# Altium PCB UAARG Autopilot.PcbDoc (part 3 of 4)
Units mm, origin at the board's own origin, x right, y up, seen from the top; angles counter-clockwise.
Board outline 89.53 x 95.22 mm, 4 copper layers (Top Layer, Mid Layer 1, Mid Layer 2, Bottom Layer), stack 1.641 mm thick; 296 components, 241 nets, 1208 pads, 606 vias.
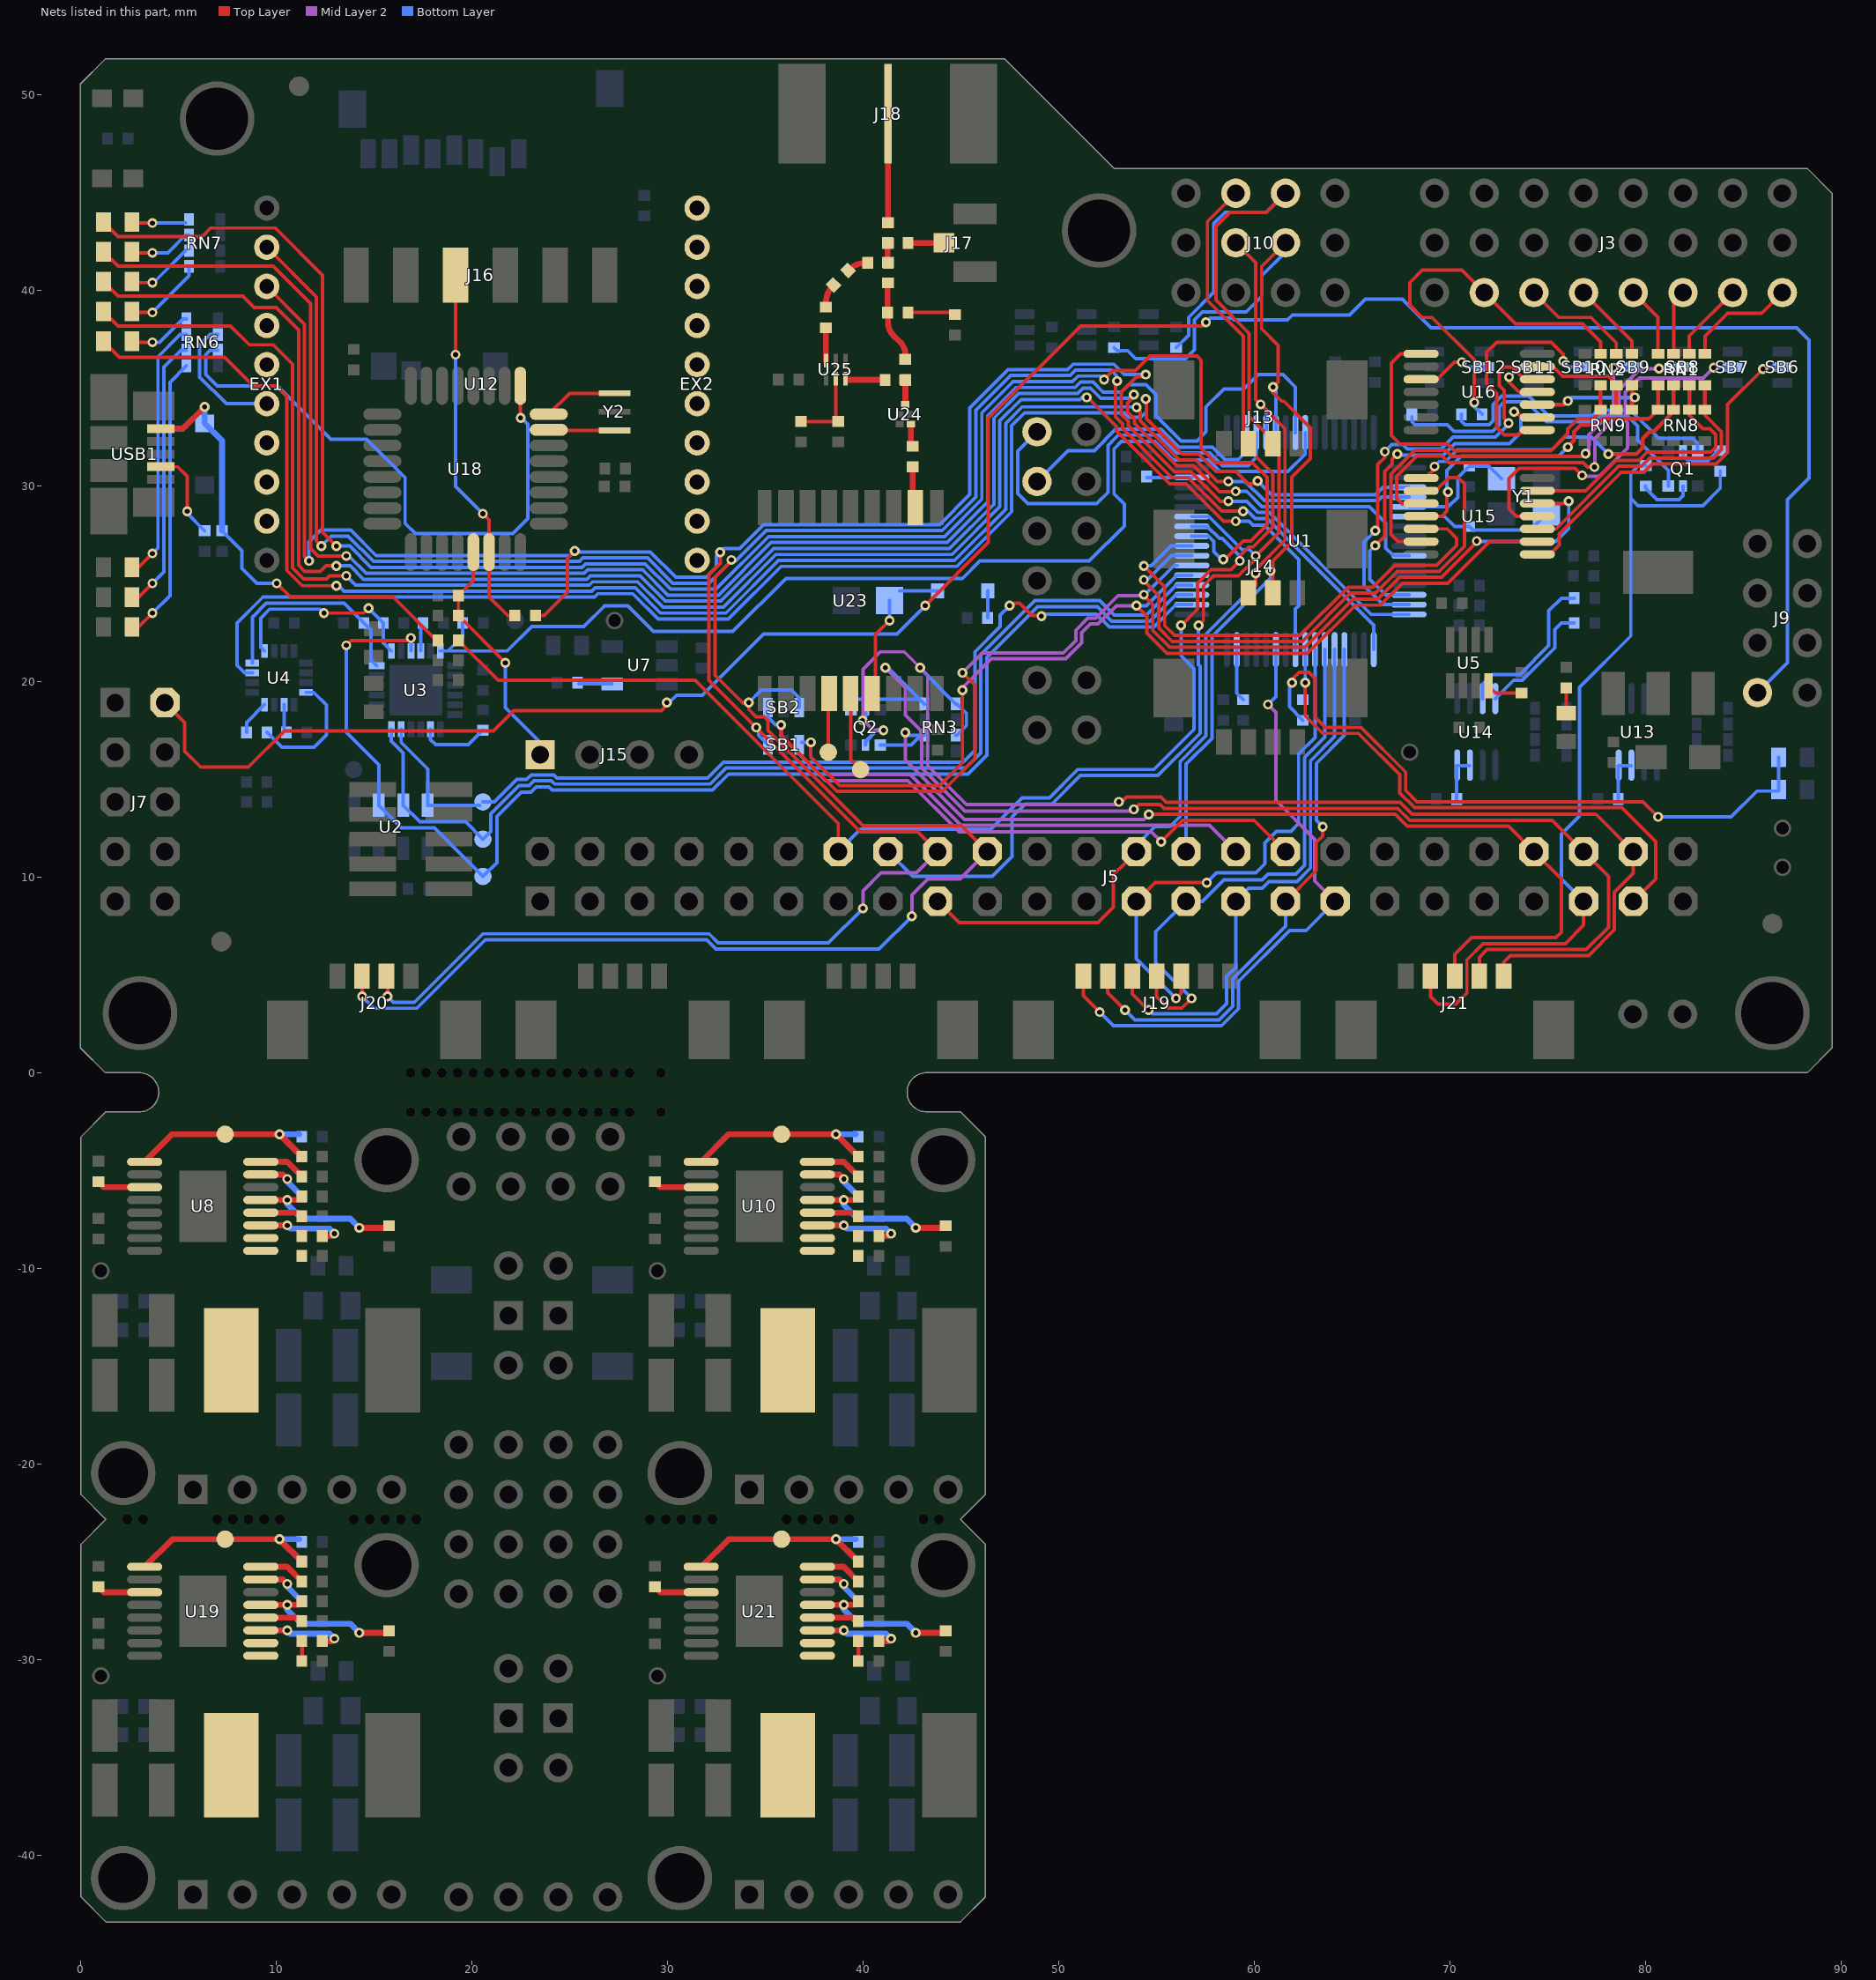
[diagram p5: the nets of this part, all layers, seen from the top]

## Via types
v1: diameter 0.508, hole 0.254, Top Layer to Bottom Layer, tented both sides, 537 vias
v2: diameter 0.61, hole 0.305, Top Layer to Bottom Layer, 48 vias
v3: diameter 0.508, hole 0.254, Top Layer to Bottom Layer, 8 vias
v4: diameter 0.889, hole 0.508, Top Layer to Bottom Layer, 5 vias
v5: diameter 0.508, hole 0.254, Top Layer to Bottom Layer, tented bottom, 5 vias
v6: diameter 0.508, hole 0.254, Top Layer to Bottom Layer, tented top, 3 vias

## Nets (pads, with @x,y where several pads share a name; then routed paths per layer and width w, separated by ;. In a path a pad name is that pad's centre, name@x,y a point inside that pad or via, vN(x,y) a via of type N, cw(c..) or ccw(c..) an arc to the next point about the centre after c; other vN are vias at no path point) (continued)
LEDS.LED1: LED1.2 U1.41 | length 96.2
  Top Layer w0.178: LED1.2@1.18,43.488 1.92,42.748 6.22,42.748 6.652,43.18 9.957,43.18 12.37,40.767 12.37,27.635 v1(13.081,26.924) ; v1(52.324,35.433) 52.324,35.445 52.77,35.89 53.924,35.89 54.661,36.627 57.074,36.627 57.277,36.424 57.277,31.927 58.013,31.191 59.897,31.191 60.655,30.433 60.655,28.016 59.817,27.178 59.436,27.178 v1@58.42,26.162
  Bottom Layer w0.178: v1(13.081,26.924) 13.767,26.924 14.859,25.832 25.632,25.832 25.809,26.01 28.863,26.01 30.156,24.716 32.486,24.716 35.177,27.407 44.174,27.407 46.076,29.308 46.076,33.733 47.674,35.331 50.714,35.331 50.993,35.611 52.146,35.611 v1(52.324,35.433) ; U1.41@56.807,27.428 57.662,27.428 57.937,27.153 57.937,26.645 v1@58.42,26.162
  other v1: 58.42,26.238
LEDS.LED2: LED2.2 U1.56 | length 89.7
  Top Layer w0.178: LED2.2@1.18,41.964 1.92,41.224 9.855,41.224 11.76,39.319 11.76,26.797 12.141,26.416 v1(13.589,26.416)
  Bottom Layer w0.178: v1(13.589,26.416) 13.715,26.416 14.604,25.527 25.758,25.527 25.936,25.705 28.736,25.705 30.03,24.411 32.612,24.411 35.303,27.102 44.301,27.102 46.38,29.182 46.38,33.577 47.83,35.027 50.84,35.027 51.119,35.306 51.751,35.306 51.756,35.3 51.762,35.306 52.27,34.798 53.201,34.798 53.582,35.179 54.458,35.179 54.991,34.646 54.991,33.574 56.269,32.296 57.074,32.296 57.531,32.753 57.531,34.036 58.445,34.95 59.461,34.95 60.198,35.687 61.468,35.687 62.107,35.048 U1.56@62.107,32.728
LEDS.LED3: LED3.2 U1.10 | length 93.7
  Top Layer w0.178: LED3.2@1.18,40.44 1.92,39.7 8.306,39.7 8.89,39.116 10.008,39.116 11.151,37.973 11.151,25.933 11.455,25.629 12.268,25.629 12.548,25.908 v1(13.081,25.908) ; v1(53.848,34.671) 53.848,34.556 53.518,34.225 53.518,33.773 53.873,33.418 53.873,33.195 56.048,31.02 56.891,31.02 58.218,29.693 58.903,29.693 v1@59.055,29.845
  Bottom Layer w0.178: v1(13.081,25.908) 13.792,25.908 14.478,25.222 25.884,25.222 26.062,25.4 28.61,25.4 29.904,24.106 32.738,24.106 35.429,26.797 44.427,26.797 46.685,29.055 46.685,33.45 47.957,34.722 50.966,34.722 51.246,35.001 51.624,35.001 51.756,34.869 52.158,34.468 53.594,34.468 v1@53.848,34.722 ; v1(59.055,29.718) 59.61,29.718 60.391,28.937 65.881,28.937 66.726,28.092 66.726,26.822 67.12,26.428 U1.10@67.907,26.428
LEDS.LED4: LED4.2 U1.25 | length 89
  Top Layer w0.178: LED4.2@1.18,38.916 1.92,38.176 7.671,38.176 8.636,37.211 9.855,37.211 10.846,36.22 10.846,25.807 11.405,25.248 12.573,25.248 12.725,25.4 v1(13.589,25.4) ; v1(51.435,34.519) 51.435,34.544 v1@51.436,34.544 ; v1@51.457,34.541 52.959,33.039 52.959,32.816 55.669,30.106 56.508,30.106 58.42,28.194 v1(59.055,28.194)
  Bottom Layer w0.178: v1(13.589,25.4) 14.072,24.917 26.01,24.917 26.188,25.095 28.484,25.095 29.778,23.801 32.865,23.801 35.556,26.492 44.553,26.492 46.99,28.929 46.99,33.324 48.083,34.417 51.092,34.417 51.219,34.544 51.435,34.544 v1(51.435,34.519) ; v1(59.055,28.194) 59.74,28.194 59.943,27.991 60.528,27.991 62.281,26.238 62.281,23.877 62.107,23.703 U1.25@62.107,21.628
LEDS.LED5: LED5.2 U1.4 | length 87.3
  Top Layer w0.178: LED5.2@1.18,37.392 1.996,36.576 7.366,36.576 8.839,35.103 10.008,35.103 10.541,34.569 10.541,25.681 11.33,24.892 v1(13.081,24.892) ; v1@53.975,34.036 54.178,33.833 54.178,33.321 56.174,31.325 57.017,31.325 58.116,30.226 v1(58.674,30.226) ; v1(53.988,34.014) v1@53.988,34.023
  Bottom Layer w0.178: v1(13.081,24.892) 13.2,24.892 13.479,24.613 26.137,24.613 26.314,24.79 28.358,24.79 29.651,23.497 32.991,23.497 35.682,26.187 44.679,26.187 47.295,28.803 47.295,33.198 48.134,34.037 v1@53.988,34.037 ; v1@53.911,34.099 v1@53.975,34.163 ; v1@53.975,34.036 53.988,34.023 v1(53.988,34.014) ; v1(58.674,30.226) 59.533,30.226 60.517,29.242 66.326,29.242 66.512,29.428 U1.4@67.907,29.428
LV: J5.46 J21.1 Q2.2 Q2.5 RN3.1 RN3.3 | length 68.8
  Top Layer w0.178: v1@53.086,13.716 53.467,14.097 55.23,14.097 55.509,13.818 67.462,13.818 68.072,13.208 77.47,13.208 J5.46@79.375,11.303 79.375,10.193 78.409,9.227 78.409,7.309 77.09,5.99 73.09,5.99 72.755,5.655 J21.1@72.755,4.942
  Mid Layer 2 w0.178: v1@40.894,17.526 40.513,17.526 40.005,18.034 40.005,20.624 40.895,21.514 42.113,21.514 43.307,20.32 43.307,15.697 45.288,13.716 v1@53.086,13.716
  Bottom Layer w0.178: v1@40.005,18.034 40.132,18.161 Q2.2@40.132,18.553 ; v1(42.926,20.701) 42.926,20.669 RN3.1@44.742,18.853 44.804,18.853 45.288,18.369 45.288,17.737 44.804,17.253 RN3.3@44.742,17.253
  Bottom Layer w0.203: Q2.5@40.132,16.753 40.132,16.926 40.706,17.501 v1(41.046,17.501)
  other v1: 53.086,13.843 39.98,18.009
LV_RX: J5.42 J21.3 Q2.4 RN3.6 | length 50.7
  Top Layer w0.178: v1(54.61,13.208) 67.21,13.208 67.819,12.598 73,12.598 J5.42@74.295,11.303 75.7,9.898 75.7,7.188 75.417,6.905 71.105,6.905 70.255,6.055 J21.3@70.255,4.942
  Mid Layer 2 w0.178: v1(42.164,17.399) 42.164,15.978 45.188,12.954 54.356,12.954 v1(54.61,13.208)
  Bottom Layer w0.178: Q2.4@40.882,16.753 42.461,16.753 RN3.6@42.961,17.253 ; v1(42.164,17.399) 42.31,17.253 RN3.6@42.961,17.253 ; RN3.6@43.142,17.253 RN3.6@42.961,17.253
LV_TX: J5.44 J21.2 Q2.1 RN3.8 | length 61.4
  Top Layer w0.178: v1(53.848,13.462) 54.102,13.716 55.18,13.716 55.383,13.513 67.336,13.513 67.946,12.903 75.235,12.903 J5.44@76.835,11.303 78.104,10.034 78.104,7.435 76.964,6.295 71.9,6.295 71.505,5.9 J21.2@71.505,4.942
  Mid Layer 2 w0.178: v1(41.148,20.701) 42.164,19.685 42.164,18.288 43.002,17.45 43.002,15.571 45.2,13.373 53.759,13.373 v1(53.848,13.462)
  Bottom Layer w0.178: Q2.1@39.382,18.553 39.382,18.783 39.7,19.101 42.894,19.101 RN3.8@43.142,18.853 41.294,20.701 v1(41.148,20.701)
M_EXT_EN: J5.43 J21.4 R6.2 R10.2 | length 43.6
  Top Layer w0.178: J21.4@69.005,4.942 69.005,3.895 69.395,3.505 70.3,3.505 70.871,4.076 70.871,5.771 71.7,6.6 75.9,6.6 76.835,7.535 J5.43@76.835,8.763
  Bottom Layer w0.178: J5.43@76.835,8.763 75.692,9.906 75.692,12.192 76.632,13.132 76.632,19.709 79.248,22.325 79.248,29.369 ; R6.2@80.01,31.037 79.646,31.037 79.248,30.639 79.248,29.369 ; R10.2@83.82,30.749 83.82,29.877 82.931,28.988 79.629,28.988 79.248,29.369
MAG_INT: U1.3 U4.15 | length 74.9
  Top Layer w0.178: v1@54.483,34.417 54.483,33.447 56.301,31.63 57.143,31.63 58.039,30.734 59.055,30.734 59.69,30.099 60.071,30.099 v1@60.198,30.226
  Bottom Layer w0.178: U4.15@8.785,20.443 8.386,20.443 8.001,20.828 8.001,22.987 9.322,24.308 26.263,24.308 26.441,24.486 28.231,24.486 29.525,23.192 33.117,23.192 35.808,25.883 44.806,25.883 47.6,28.677 47.6,33.072 48.26,33.732 53.365,33.732 53.594,33.503 54.204,33.503 54.483,33.782 v1@54.483,34.544 ; v1@60.198,30.226 60.877,29.547 66.2,29.547 66.581,29.928 U1.3@67.907,29.928
  other v1: 60.173,30.251 54.458,34.442
MAIN_EN: J7.2 J9.7 | length 120
  Top Layer w0.178: J7.2@4.318,18.923 5.334,17.907 5.334,16.433 6.146,15.621 8.58,15.621 10.434,17.475 21.11,17.475 22.151,18.517 29.693,18.517 v1@29.972,18.796 ; v1(43.18,23.876) 46.406,27.102 46.406,33.452 51.13,38.176 57.353,38.176 v1(57.531,38.354)
  Bottom Layer w0.178: v1@29.972,18.796 30.468,19.292 31.781,19.292 34.916,22.428 41.732,22.428 v1(43.18,23.876) ; v1(57.531,38.354) 57.747,38.57 58.875,38.57 58.964,38.481 61.699,38.481 61.953,38.735 64.874,38.735 65.687,39.548 67.563,39.548 69.036,38.075 87.732,38.075 88.367,37.44 88.367,34.545 88.367,30.404 87.249,29.287 87.249,20.955 J9.7@85.725,19.431
  other v1: 29.972,18.923
MISO: TP6.1 U1.35 U2.6 U3.9 | length 67.3
  Top Layer w0.178: v1(13.589,21.844) 13.843,22.098 16.637,22.098 v1@16.891,22.352
  Bottom Layer w0.178: v1(13.589,21.844) 13.589,17.399 15.25,15.738 U2.6@15.25,13.673 16.401,12.522 18.085,12.522 TP6.1@20.574,10.033 21.285,10.744 21.285,13.11 22.526,14.351 23.034,14.351 23.301,14.618 23.943,14.618 24.108,14.453 32.313,14.453 33.126,15.265 45.368,15.265 46.33,16.227 46.33,21.234 48.92,23.825 51.978,23.825 52.715,23.089 54.661,23.089 56,24.428 U1.35@56.807,24.428 ; U3.9@16.895,21.558 v1@16.895,22.348
  other v1: 16.891,22.225
MOSI: TP7.1 U1.36 U2.7 U3.24 | length 54.7
  Bottom Layer w0.178: U3.24@15.895,17.558 15.895,16.948 16.5,16.343 U2.7@16.5,13.673 17.346,12.827 19.685,12.827 TP7.1@20.574,11.938 20.98,12.344 20.98,13.236 22.426,14.681 22.934,14.681 23.175,14.922 24.069,14.922 24.234,14.757 32.187,14.757 33,15.57 45.242,15.57 46.025,16.353 46.025,21.361 48.793,24.13 52.105,24.13 52.841,23.393 54.483,23.393 56.018,24.928 U1.36@56.807,24.928
MPU_INT: R15.1 U1.57 U3.12 | length 56.6
  Bottom Layer w0.178: U3.12@18.395,21.558 18.781,21.558 ; R15.1@19.541,22.987 19.541,22.318 18.781,21.558 ; U1.57@62.607,32.728 62.607,31.619 61.722,30.734 58.25,30.734 57.666,31.318 55.855,31.318 54.915,32.258 53.213,32.258 52.832,31.877 52.832,29.591 53.352,29.071 53.352,27.952 51.562,26.162 45.974,26.162 45.085,25.273 36.061,25.273 33.35,22.562 29.293,22.562 27.979,23.876 26.797,23.876 25.73,22.809 23.063,22.809 21.812,21.558 18.781,21.558
MPU_SCL: R14.1 U3.7 U4.1 | length 10.1
  Top Layer w0.178: v1(12.446,23.495) 14.478,23.495 v1(14.732,23.749)
  Bottom Layer w0.178: U4.1@9.41,21.568 9.22,21.758 9.22,23.241 9.677,23.698 12.243,23.698 v1(12.446,23.495) ; v1@14.842,23.622 R14.1@15.477,22.987 15.477,21.976 U3.7@15.895,21.558
MPU_SDA: R13.1 U3.6 U4.16 | length 11.2
  Bottom Layer w0.178: U4.16@8.785,20.943 8.785,23.288 9.5,24.003 13.479,24.003 R13.1@14.495,22.987 14.859,22.623 14.859,21.094 U3.6@15.145,20.808
NetC3_2: C3.2 U1.47 | length 2.3
  Bottom Layer w0.178: C3.2@54.5,30.428 U1.47@56.807,30.428
NetC4_2: C4.2 U1.31 | length 2.7
  Bottom Layer w0.178: U1.31@59.107,21.628 59.107,19.396 C4.2@59.436,19.067
NetC14_1: C14.1 U3.20 | length 3.6
  Bottom Layer w0.178: U3.20@17.895,17.558 17.895,17.03 18.161,16.764 19.829,16.764 C14.1@20.574,17.509
NetC17_1: C17.1 U4.10 | length 1.3
  Bottom Layer w0.178: C17.1@10.41,17.513 U4.10@10.41,18.818
NetC18_1: C18.1 U4.8 | length 6.4
  Bottom Layer w0.178: C18.1@9.542,17.399 10.304,16.637 11.938,16.637 12.573,17.272 12.573,18.796 11.926,19.443 U4.8@11.535,19.443
NetC18_2: C18.2 U4.12 | length 1.8
  Bottom Layer w0.178: C18.2@8.492,17.399 8.492,17.9 U4.12@9.41,18.818
NetC19_2: C19.2 U3.10 | length 1.3
  Bottom Layer w0.178: U3.10@17.395,21.558 C19.2@17.395,22.873
NetC25_1: C25.1 U7.4 | length 1.7
  Bottom Layer w0.178: C25.1@25.478,19.878 U7.4@27.175,19.878
NetC26_1: C26.1 C27.2 L2.1 U8.1 U8.2
NetC27_1: C27.1 U8.3 | length 4.6
  Top Layer w0.305: U8.3@9.223,-7.801 v1(10.571,-7.801) ; C27.1@12.366,-8.35 12.857,-8.35 v1(12.984,-8.223)
  Bottom Layer w0.305: v1(10.571,-7.801) 10.739,-7.969 12.73,-7.969 v1(12.984,-8.223)
NetC30_2: C30.2 R24.2 R28.1 TP10.1 U8.9 | length 11.7
  Top Layer w0.305: U8.9@3.283,-4.551 4.691,-3.143 TP10.1@7.396,-3.143 v1(10.173,-3.143) C30.2@11.316,-4.286
  Bottom Layer w0.305: R28.1@11.189,-3.143 v1(10.173,-3.143) R24.2@11.316,-4.286
NetC36_2: C36.2 U8.4 | length 2.2
  Top Layer w0.305: U8.4@9.223,-7.151 11.133,-7.151 C36.2@11.316,-7.334
NetC37_1: C37.1 U8.11 | length 2.5
  Top Layer w0.305: C37.1@0.919,-5.573 1.197,-5.851 U8.11@3.283,-5.851
NetC38_1: C38.1 R26.2 U8.5 | length 8.1
  Top Layer w0.305: U8.5@9.223,-6.501 v1(10.571,-6.501) 11.133,-6.501 C38.1@11.316,-6.318 ; v1(14.254,-7.927) 15.676,-7.927 R26.2@15.778,-7.825
  Bottom Layer w0.305: v1(10.571,-6.501) 10.571,-6.724 11.308,-7.461 13.788,-7.461 v1(14.254,-7.927)
NetC39_1: C39.1 C40.2 L3.1 U10.1 U10.2
NetC40_1: C40.1 U10.3 | length 4.6
  Top Layer w0.305: U10.3@37.671,-7.801 v1(39.019,-7.801) ; C40.1@40.814,-8.35 41.305,-8.35 v1(41.432,-8.223)
  Bottom Layer w0.305: v1(39.019,-7.801) 39.187,-7.969 41.178,-7.969 v1(41.432,-8.223)
NetC43_2: C43.2 R31.2 R35.1 TP12.1 U10.9 | length 11.7
  Top Layer w0.305: U10.9@31.731,-4.551 33.139,-3.143 TP12.1@35.844,-3.143 v1(38.621,-3.143) C43.2@39.764,-4.286
  Bottom Layer w0.305: R35.1@39.637,-3.143 v1(38.621,-3.143) R31.2@39.764,-4.286
NetC49_2: C49.2 U10.4 | length 2.2
  Top Layer w0.305: U10.4@37.671,-7.151 39.581,-7.151 C49.2@39.764,-7.334
NetC50_1: C50.1 U10.11 | length 2.5
  Top Layer w0.305: C50.1@29.367,-5.573 29.645,-5.851 U10.11@31.731,-5.851
NetC51_1: C51.1 R33.2 U10.5 | length 8.2
  Top Layer w0.305: U10.5@37.671,-6.501 v1(39.019,-6.501) 39.581,-6.501 C51.1@39.764,-6.318 ; v1(42.702,-7.927) 44.124,-7.927 R33.2@44.226,-7.825
  Bottom Layer w0.305: v1(39.019,-6.501) 39.019,-6.75 39.73,-7.461 42.236,-7.461 v1(42.702,-7.927)
NetC57_1: C57.1 C58.2 L4.1 U19.1 U19.2 | length 1
  Top Layer w0.203: C57.1@11.316,-30.067 C58.2@11.316,-29.051
NetC58_1: C58.1 U19.3 | length 4.6
  Top Layer w0.305: U19.3@9.223,-28.502 v1(10.571,-28.502) ; C58.1@12.366,-29.051 12.857,-29.051 v1(12.984,-28.924)
  Bottom Layer w0.305: v1(10.571,-28.502) 10.739,-28.67 12.73,-28.67 v1(12.984,-28.924)
NetC61_2: C61.2 R47.2 R51.1 TP14.1 U19.9 | length 11.7
  Top Layer w0.305: U19.9@3.283,-25.252 4.691,-23.844 TP14.1@7.396,-23.844 v1(10.173,-23.844) C61.2@11.316,-24.987
  Bottom Layer w0.305: R51.1@11.189,-23.844 v1(10.173,-23.844) R47.2@11.316,-24.987
NetC67_2: C67.2 U19.4 | length 2.2
  Top Layer w0.305: U19.4@9.223,-27.852 11.133,-27.852 C67.2@11.316,-28.035
NetC68_1: C68.1 U19.11 | length 2.5
  Top Layer w0.305: C68.1@0.919,-26.274 1.197,-26.552 U19.11@3.283,-26.552
NetC69_1: C69.1 R49.2 U19.5 | length 8.2
  Top Layer w0.305: U19.5@9.223,-27.202 v1(10.571,-27.202) 11.133,-27.202 C69.1@11.316,-27.019 ; v1(14.254,-28.628) 15.676,-28.628 R49.2@15.778,-28.526
  Bottom Layer w0.305: v1(10.571,-27.202) 10.571,-27.451 11.282,-28.162 13.788,-28.162 v1(14.254,-28.628)
NetC70_1: C70.1 C71.2 L5.1 U21.1 U21.2 | length 1
  Top Layer w0.203: C70.1@39.764,-30.067 C71.2@39.764,-29.051
NetC71_1: C71.1 U21.3 | length 4.6
  Top Layer w0.305: U21.3@37.671,-28.502 v1(39.019,-28.502) ; C71.1@40.814,-29.051 41.305,-29.051 v1(41.432,-28.924)
  Bottom Layer w0.305: v1(39.019,-28.502) 39.187,-28.67 41.178,-28.67 v1(41.432,-28.924)
NetC74_2: C74.2 R54.2 R58.1 TP16.1 U21.9 | length 11.7
  Top Layer w0.305: U21.9@31.731,-25.252 33.139,-23.844 TP16.1@35.844,-23.844 v1(38.621,-23.844) C74.2@39.764,-24.987
  Bottom Layer w0.305: R58.1@39.637,-23.844 v1(38.621,-23.844) R54.2@39.764,-24.987
NetC80_2: C80.2 U21.4 | length 2.2
  Top Layer w0.305: U21.4@37.671,-27.852 39.581,-27.852 C80.2@39.764,-28.035
NetC81_1: C81.1 U21.11 | length 2.5
  Top Layer w0.305: C81.1@29.367,-26.274 29.645,-26.552 U21.11@31.731,-26.552
NetC82_1: C82.1 R56.2 U21.5 | length 8.1
  Top Layer w0.305: U21.5@37.671,-27.202 v1(39.019,-27.202) 39.581,-27.202 C82.1@39.764,-27.019 ; v1(42.702,-28.628) 44.124,-28.628 R56.2@44.226,-28.526
  Bottom Layer w0.305: v1(39.019,-27.202) 39.019,-27.425 39.756,-28.162 42.236,-28.162 v1(42.702,-28.628)
NetC84_2: C84.2 C86.2 U24.C | length 1.3
  Top Layer w0.305: U24.C@42.164,34.155 C86.2@42.164,35.416
NetC85_1: C85.1 U24.A | length 1
  Top Layer w0.305: C85.1@42.452,32.115 U24.A@42.452,33.155
NetC85_2: C85.2 U23.11 | length 2
  Top Layer w0.305: U23.11@42.545,29.005 C85.2@42.545,30.971
NetC87_1: C87.1 D4.2 U23.6 | length 6.8
  Top Layer w0.178: U23.6@40.64,19.55 40.64,22.395 v1(41.359,23.114)
  Bottom Layer w0.178: v1(41.359,23.114) C87.1@41.359,24.13 ; C87.1@41.867,24.638 D4.2@43.81,24.638
NetC89_1: C89.1 L6.1 | length 1.2
  Top Layer w0.305: C89.1@38.1,39.133 38.1,39.325 cw(c39.434,39.325) L6.1@38.491,40.269
NetC89_2: C89.2 U25.3 | length 1.7
  Top Layer w0.305: U25.3@38.108,36.401 C89.2@38.108,38.075
NetD3_1: D3.1 R19.1 R23.2 USB1.1 | length 23.3
  Top Layer w0.178: v1(10.033,25.019) 10.744,24.308 16.003,24.308 18.213,22.098 R19.1@18.271,22.098
  Top Layer w0.305: USB1.1@4.11,32.923 5.237,32.923 v1(6.35,34.036)
  Bottom Layer w0.178: R23.2@7.239,27.703 8.255,26.687 8.255,25.781 9.017,25.019 v1(10.033,25.019)
  Bottom Layer w0.305: v1(6.35,34.036) D3.1@6.35,33.198 7.239,32.309 R23.2@7.239,27.703
NetD4_1: D4.1 R61.2 | length 1.4
  Bottom Layer w0.178: R61.2@46.385,23.254 D4.1@46.385,24.638
NetJ3_1: J3.1 RN1.5 | length 5.8
  Top Layer w0.178: RN1.5@83.039,36.741 83.039,37.649 84.201,38.811 85.928,38.811 J3.1@86.995,39.878
NetJ3_4: J3.4 RN1.6 | length 4.1
  Top Layer w0.178: RN1.6@82.239,36.741 82.239,37.662 J3.4@84.455,39.878
NetJ3_7: J3.7 RN1.7 | length 2.7
  Top Layer w0.178: RN1.7@81.439,36.741 J3.7@81.439,39.402
NetJ3_10: J3.10 RN1.8 | length 3.7
  Top Layer w0.178: J3.10@79.375,39.878 80.639,38.614 RN1.8@80.639,36.741
NetJ3_13: J3.13 RN2.5 | length 4.2
  Top Layer w0.178: J3.13@76.835,39.878 79.305,37.408 RN2.5@79.305,36.741
NetJ3_16: J3.16 RN2.6 | length 5.8
  Top Layer w0.178: J3.16@74.295,39.878 75.565,38.608 77.216,38.608 78.505,37.319 RN2.6@78.505,36.741
NetJ17_1: J17.1 R62.1 | length 1.8
  Top Layer w0.305: R62.1@42.308,42.418 J17.1@44.145,42.418
NetJ18_1: J18.1 R67.1 | length 5.6
  Top Layer w0.305: R67.1@41.275,43.451 J18.1@41.275,49.022
NetL7_1: L7.1 R68.2 | length 2.3
  Top Layer w0.178: L7.1@42.308,38.862 R68.2@44.594,38.862
NetLED1_1: LED1.1 RN7.4 | length 2.7
  Top Layer w0.178: LED1.1@2.684,43.434 v1(3.683,43.434)
  Bottom Layer w0.178: v1(3.683,43.434) RN7.4@5.366,43.434
NetLED2_1: LED2.1 RN7.3 | length 3.2
  Top Layer w0.178: LED2.1@2.684,41.91 v1(3.683,41.91)
  Bottom Layer w0.178: v1(3.683,41.91) 4.461,41.91 5.369,42.818 RN7.3@5.55,42.818
NetLED3_1: LED3.1 RN7.2 | length 3.4
  Top Layer w0.178: LED3.1@2.684,40.386 v1(3.683,40.386)
  Bottom Layer w0.178: v1(3.683,40.386) 3.737,40.386 RN7.2@5.369,42.018
NetLED4_1: LED4.1 RN7.1 | length 4.1
  Top Layer w0.178: LED4.1@2.684,38.862 v1(3.683,38.862)
  Bottom Layer w0.178: v1(3.683,38.862) 5.55,40.729 RN7.1@5.55,41.218
NetLED5_1: LED5.1 RN6.4 | length 3.2
  Top Layer w0.178: LED5.1@2.684,37.338 v1(3.683,37.338)
  Bottom Layer w0.178: v1(3.683,37.338) 4.042,37.338 5.242,38.538 RN6.4@5.423,38.538
NetLED6_1: LED6.1 R18.2 | length 1.3
  Top Layer w0.178: LED6.1@75.946,18.382 R18.2@75.946,19.672
NetLED7_1: LED7.1 RN6.3 | length 13.2
  Top Layer w0.178: LED7.1@2.921,25.781 v1(3.683,26.543)
  Bottom Layer w0.178: v1(3.683,26.543) 3.962,26.822 3.962,36.601 5.099,37.738 RN6.3@5.423,37.738
NetLED8_1: LED8.1 RN6.1 | length 14.4
  Top Layer w0.178: LED8.1@2.921,22.733 v1(3.683,23.495)
  Bottom Layer w0.178: v1(3.683,23.495) 4.572,24.384 4.572,35.287 RN6.1@5.423,36.138
NetLED9_1: LED9.1 RN6.2 | length 14.1
  Top Layer w0.178: LED9.1@2.684,24.257 2.921,24.257 v1(3.683,25.019)
  Bottom Layer w0.178: v1(3.683,25.019) 4.267,25.603 4.267,36.068 5.137,36.938 RN6.2@5.423,36.938
NetQ1_B1: Q1.5 R6.1 | length 2.8
  Bottom Layer w0.178: R6.1@80.01,29.987 80.01,29.877 80.594,29.293 81.712,29.293 81.915,29.496 Q1.5@81.915,29.993
NetQ1_B2: Q1.2 R10.1 | length 2.5
  Bottom Layer w0.178: Q1.2@81.915,31.793 81.915,31.528 82.22,31.223 83.134,31.223 83.71,31.799 R10.1@83.82,31.799
NetQ1_C1: Q1.3 R5.1 | length 15.2
  Bottom Layer w0.178: R5.1@70.595,33.655 70.595,33.299 70.772,33.122 72.009,33.122 72.212,33.325 72.212,34.162 72.645,34.595 74.04,34.595 75.056,33.579 77.267,33.579 77.553,33.865 79.226,33.865 80.674,32.417 82.423,32.417 82.665,32.175 Q1.3@82.665,31.793
NetQ1_C2: Q1.6 R9.1 | length 17.6
  Bottom Layer w0.178: R9.1@68.055,33.528 68.055,33.276 68.21,33.122 69.875,33.122 70.206,32.791 72.187,32.791 72.517,33.122 72.517,34.036 72.771,34.29 73.914,34.29 74.93,33.274 77.393,33.274 77.679,33.56 79.1,33.56 79.6,33.06 79.6,32.344 81.165,30.779 Q1.6@81.165,29.993
NetR1_1: R1.1 R2.1 R3.2 | length 34.4
  Top Layer w0.178: v1@61.976,19.939 61.976,20.142 62.306,20.472 62.789,20.472 63.119,20.142 63.119,18.161 63.627,17.653 65.455,17.653 67.742,15.366 67.742,14.427 68.319,13.85 79.876,13.85 v1(80.645,13.081)
  Bottom Layer w0.178: v1@61.976,19.947 61.798,19.769 61.798,18.703 R1.1@62.484,18.017 ; v1(80.645,13.081) 84.381,13.081 85.697,14.397 R3.2@86.805,14.397 ; R3.2@86.805,14.472 R2.1@86.805,16.123
  other v1: 61.925,19.939
NetR22_2: R22.2 USB1.4 | length 4.7
  Top Layer w0.178: USB1.4@4.11,30.973 4.968,30.973 5.461,30.48 v1(5.461,28.702)
  Bottom Layer w0.178: v1@5.406,28.647 R22.2@6.35,27.703
NetR27_2: R27.2 U8.8 | length 2.4
  Top Layer w0.305: U8.8@9.223,-4.551 10.565,-4.551 R27.2@11.316,-5.302
NetR29_2: R29.2 U8.7 | length 2.6
  Top Layer w0.305: U8.7@9.223,-5.201 10.343,-5.201 v1(10.571,-5.429)
  Bottom Layer w0.305: v1(10.571,-5.429) 10.571,-5.573 R29.2@11.316,-6.318
NetR34_2: R34.2 U10.8 | length 2.4
  Top Layer w0.305: U10.8@37.671,-4.551 39.013,-4.551 R34.2@39.764,-5.302
NetR36_2: R36.2 U10.7 | length 2.6
  Top Layer w0.305: U10.7@37.671,-5.201 38.791,-5.201 v1(39.019,-5.429)
  Bottom Layer w0.305: v1(39.019,-5.429) 39.019,-5.573 R36.2@39.764,-6.318
NetR38_2: R38.2 U13.7 U13.8 | length 2.4
  Bottom Layer w0.178: R38.2@78.605,13.995 78.605,15.7 U13.7@79.255,15.7
NetR39_2: R39.2 U14.7 U14.8 | length 2.4
  Bottom Layer w0.178: R39.2@70.35,13.995 70.35,15.7 U14.7@71,15.7
NetR40_1: R40.1 U14.3 | length 8.3
  Bottom Layer w0.178: U14.3@71.674,19.124 71.674,19.858 72.178,20.362 73.575,20.362 75.057,21.844 75.057,23.622 75.692,24.257 R40.1@76.36,24.257
NetR41_1: R41.1 U14.4 | length 6.2
  Bottom Layer w0.178: U14.4@72.324,19.124 73.257,20.058 73.702,20.058 75.362,21.718 75.362,22.657 75.692,22.987 R41.1@76.36,22.987
NetR50_2: R50.2 U19.8 | length 2.4
  Top Layer w0.305: U19.8@9.223,-25.252 10.565,-25.252 R50.2@11.316,-26.003
NetR52_2: R52.2 U19.7 | length 2.6
  Top Layer w0.305: U19.7@9.223,-25.902 10.343,-25.902 v1(10.571,-26.13)
  Bottom Layer w0.305: v1(10.571,-26.13) 10.571,-26.274 R52.2@11.316,-27.019
NetR57_2: R57.2 U21.8 | length 2.4
  Top Layer w0.305: U21.8@37.671,-25.252 39.013,-25.252 R57.2@39.764,-26.003
NetR59_2: R59.2 U21.7 | length 2.6
  Top Layer w0.305: U21.7@37.671,-25.902 38.791,-25.902 v1(39.019,-26.13)
  Bottom Layer w0.305: v1(39.019,-26.13) 39.019,-26.274 R59.2@39.764,-27.019
NetR62_2: R62.2 R63.1 R66.2 R67.2 | length 1
  Top Layer w0.305: R66.2@41.258,41.436 R62.2@41.258,42.418
NetR64_2: R64.2 R65.2 U25.5 | length 4
  Top Layer w0.178: R65.2@36.83,33.291 R64.2@38.735,33.291 ; R64.2@38.608,33.418 U25.5@38.608,35.481
NetRN6_7: RN6.7 U18.9 | length 30.2
  Top Layer w0.178: v1@22.479,33.528 U18.9@22.479,35.105
  Bottom Layer w0.178: RN6.7@7.023,36.938 6.636,36.938 6.401,36.703 6.401,35.686 6.984,35.103 10.084,35.103 12.802,32.385 14.624,32.385 16.597,30.412 16.597,28.081 17.12,27.559 22.098,27.559 22.86,28.321 22.86,33.147 v1@22.479,33.528
  other v1: 22.504,33.477
NetTP18_1: TP18.1 U23.5 | length 4.1
  Top Layer w0.178: U23.5@39.37,19.38 39.37,16.002 TP18.1@39.878,15.494
NetTP19_1: TP19.1 U23.4 | length 3
  Top Layer w0.178: TP19.1@38.227,16.383 U23.4@38.227,19.276
  Top Layer w0.203: U23.4@38.227,19.276 cw(c38.374,19.276) U23.4@38.27,19.38
NetU18_7: U18.7 Y2.1 | length 3.3
  Top Layer w0.178: U18.7@23.964,32.832 Y2.1@27.305,32.832
NetU18_8: U18.8 Y2.2 | length 3.8
  Top Layer w0.178: U18.8@23.935,33.661 25.006,34.732 Y2.2@27.305,34.732
PA0: U1.14 U16.2 | length 18.9
  Top Layer w0.178: v1@66.167,26.924 66.65,27.407 ; 66.675,27.407 66.675,30.734 67.056,31.115 67.056,31.369 v1(67.31,31.623) ; v1(73.279,33.782) 73.279,33.909 73.69,33.498 U16.2@74.471,33.498
  Bottom Layer w0.178: v1@66.167,26.924 65.913,26.67 65.913,25.223 66.708,24.428 U1.14@67.907,24.428 ; v1(67.31,31.623) 67.361,31.572 69.673,31.572 70.257,32.156 73.05,32.156 73.635,32.741 73.635,33.553 v1@73.279,33.909
  other v1: 66.192,26.949
PA1: U1.15 U16.5 | length 22.2
  Top Layer w0.178: v1@66.167,27.686 66.319,27.838 66.319,31.09 66.675,31.445 v1(66.675,31.75) ; v1(73,33.198) 72.771,33.426 72.771,34.874 72.517,35.128 72.517,35.839 72.746,36.068 73.182,36.068 73.802,35.448 U16.5@74.471,35.448
  Bottom Layer w0.178: v1@66.167,27.686 65.608,27.127 65.608,24.893 66.573,23.928 U1.15@67.907,23.928 ; v1(66.675,31.75) 67.031,32.106 67.589,32.106 67.818,31.877 69.547,31.877 70.156,32.487 72.322,32.487 v1@72.99,33.154
  other v1: 66.192,27.711
PA2: EX1.3 J5.18 J20.2 R46.1 SB1.3 U1.16 U12.3 | length 150.3
  Top Layer w0.178: U12.3@9.525,40.196 11.455,38.266 11.455,26.391 v1(11.684,26.162) ; v1(15.7,3.9) J20.2@15.7,4.877 ; R46.1@23.258,23.368 23.699,23.368 24.892,24.561 24.892,26.289 v1(25.273,26.67) ; v1(32.703,26.607) 32.703,26.022 32.131,25.45 32.131,20.066 39.878,12.319 42.799,12.319 J5.18@43.815,11.303 ; v1@54.483,35.687 54.381,35.585 54,35.585 53.213,34.798 53.213,33.647 53.569,33.291 53.569,33.069 55.922,30.715 56.534,30.715 56.761,30.715 58.266,29.21 v1(58.674,29.21)
  Mid Layer 2 w0.178: v1(40,8.4) 40,9.3 40.919,10.219 42.731,10.219 J5.18@43.815,11.303
  Bottom Layer w0.178: v1(11.684,26.162) 11.684,27.127 12.294,27.737 13.816,27.737 15.112,26.441 25.044,26.441 25.298,26.695 25.463,26.695 25.539,26.619 29.134,26.619 30.428,25.325 31.987,25.325 32.512,25.85 32.512,26.416 ; v1(15.7,3.9) 16,3.6 17.069,3.6 20.569,7.1 32.135,7.1 32.605,6.63 38.23,6.63 v1(40,8.4) ; v1(32.703,26.607) 32.893,26.797 33.705,26.797 34.924,28.016 43.922,28.016 45.466,29.56 45.466,33.986 47.421,35.941 50.461,35.941 50.741,36.22 52.818,36.22 53.352,35.687 v1@54.483,35.687 ; v1(34.544,17.653) 34.671,17.526 34.671,17.234 SB1.3@35.141,16.764 ; v1(58.674,29.21) 59.614,29.21 60.191,28.633 60.775,28.633 65.98,23.428 U1.16@67.907,23.428
  other v1: 54.458,35.687
PA3: EX1.2 J5.20 J20.3 SB2.3 U1.17 U12.2 | length 152.4
  Top Layer w0.178: U12.2@9.525,42.196 12.065,39.656 12.065,27.178 v1(12.319,26.924) ; v1(14.4,3.9) J20.3@14.4,4.927 ; v1@33.274,26.162 32.436,25.324 32.436,20.319 33.832,18.923 v1(34.163,18.923) 34.163,18.567 34.544,18.186 34.95,18.186 35.141,17.996 35.141,17.488 40.004,12.624 45.034,12.624 J5.20@46.355,11.303 ; v1(52.984,35.357) 52.984,35.408 52.959,35.433 52.908,35.382 52.908,33.521 53.264,33.165 53.264,32.942 55.795,30.411 56.33,30.411 56.634,30.411 58.343,28.702 v1(59.436,28.702)
  Mid Layer 2 w0.178: v1(42.5,8) 42.5,9.1 43.314,9.914 44.966,9.914 J5.20@46.355,11.303
  Bottom Layer w0.178: v1(12.319,26.924) 12.827,27.432 13.69,27.432 14.985,26.137 25.505,26.137 25.683,26.314 28.989,26.314 30.283,25.021 32.133,25.021 33.274,26.162 33.501,26.162 35.051,27.711 44.048,27.711 45.771,29.434 45.771,33.86 47.547,35.636 50.587,35.636 50.867,35.916 52.68,35.916 52.984,35.611 v1(52.984,35.357) ; v1(14.4,3.9) 15.005,3.295 17.195,3.295 20.695,6.795 32.009,6.795 32.479,6.325 40.825,6.325 v1(42.5,8) ; v1(34.163,18.923) 34.798,19.558 36.347,19.558 36.741,19.164 SB2.3@36.741,18.669 ; v1(59.436,28.702) 59.667,28.702 60.041,28.328 60.649,28.328 66.107,22.87 U1.17@66.107,21.628
  other v1: 33.274,26.213
PA4: J5.31 J19.6 U1.20 | length 29
  Top Layer w0.178: J19.6@52.515,4.942 52.515,4.085 v1(53.4,3.2) ; J5.31@61.595,8.763 63.169,10.337 63.169,11.767 63.5,12.098 v1(63.5,12.573)
  Bottom Layer w0.178: v1(53.4,3.2) 53.895,2.705 58.2,2.705 58.895,3.4 58.895,4.795 61.595,7.495 J5.31@61.595,8.763 ; v1(63.5,12.573) 63.182,12.891 63.182,15.817 64.607,17.242 U1.20@64.607,21.628
PA5: J5.29 J19.5 U1.21 | length 28
  Top Layer w0.178: J19.5@53.765,4.942 53.765,4.035 v1(54.6,3.2)
  Bottom Layer w0.178: v1(54.6,3.2) 54.79,3.01 58.074,3.01 58.59,3.526 58.59,4.921 59.055,5.386 J5.29@59.055,8.763 59.715,9.423 60.4,9.423 60.756,9.779 62.18,9.779 62.877,10.476 62.877,15.943 64.107,17.173 U1.21@64.107,21.628
PA6: J5.27 J19.4 U1.22 | length 28.1
  Top Layer w0.178: J19.4@55.015,4.942 55.015,3.885 55.6,3.3 56.3,3.3 v1(56.8,3.8) v1@56.8,3.7
  Bottom Layer w0.178: v1@56.9,3.8 v1(56.8,3.8) 54.966,5.634 54.966,7.214 J5.27@56.515,8.763 57.353,8.763 58.445,9.855 60.401,9.855 60.706,10.16 62.13,10.16 62.572,10.602 62.572,16.13 63.607,17.165 U1.22@63.607,21.628
PA7: J5.25 J19.3 U1.23 | length 26.9
  Top Layer w0.178: J5.25@53.975,8.763 54.941,9.729 57.557,9.729 v1(57.57,9.716) ; v1(56,3.8) 56.265,4.065 J19.3@56.265,4.942
  Bottom Layer w0.178: J5.25@53.975,8.763 53.975,5.825 v1(56,3.8) ; v1(57.57,9.716) 58.064,10.211 60.083,10.211 60.554,10.681 60.554,11.76 61.138,12.344 61.874,12.344 62.267,12.737 62.267,16.293 63.107,17.133 U1.23@63.107,21.628
PA9: J5.14 J10.2 J13.2 R19.2 U1.42 | length 81.1
  Top Layer w0.178: R19.2@19.321,22.098 21.353,20.066 31.419,20.066 38.735,12.75 J5.14@38.735,11.303 ; v1(56.261,22.86) 57.099,23.698 57.099,25.018 57.786,25.705 58.802,25.705 v1(59.259,26.162) 59.259,26.417 59.715,26.873 59.943,26.873 60.96,27.89 60.96,30.632 59.7,31.892 J13.2@59.7,32.153 59.436,32.417 59.436,37.643 57.607,39.472 57.607,43.51 J10.2@59.055,44.958
  Bottom Layer w0.178: J5.14@38.735,11.303 39.878,12.446 46.532,12.446 48.132,14.046 49.529,14.046 50.984,15.501 54.871,15.501 56.921,17.551 56.921,20.651 56.261,21.311 v1(56.261,22.86) ; U1.42@56.807,27.928 57.593,27.928 58.217,27.304 58.371,27.304 59.259,26.416 v1@59.259,26.251
PA10: J5.16 J10.3 J13.3 R7.1 U1.43 | length 70
  Top Layer w0.178: v1(57.15,22.86) 57.404,23.114 57.404,24.892 57.912,25.4 59.182,25.4 v1@60.134,26.352 ; v1(60.071,26.416) 61.265,27.61 61.265,31.838 J13.3@60.95,32.153 ; J13.3@60.95,32.341 59.741,33.55 59.741,37.795 58.039,39.497 58.039,43.256 58.763,43.98 60.617,43.98 J10.3@61.595,44.958
  Bottom Layer w0.178: J5.16@41.275,11.303 42.545,10.033 46.609,10.033 47.625,11.049 47.625,13.081 48.285,13.741 49.656,13.741 51.11,15.196 55.074,15.196 57.226,17.348 57.226,20.777 57.15,20.853 v1(57.15,22.86) ; R7.1@56.007,37.067 56.642,37.702 56.642,38.608 57.937,39.903 57.937,43.409 58.509,43.98 60.617,43.98 J10.3@61.595,44.958 ; U1.43@56.807,28.428 57.678,28.428 59.367,26.739 59.748,26.739 v1(60.071,26.416)
PB1: J5.33 J19.7 U1.27 | length 32.4
  Top Layer w0.178: J19.7@51.265,4.942 51.265,3.935 v1(52.1,3.1)
  Mid Layer 2 w0.178: v1(60.706,18.821) 61.107,18.42 61.107,13.925 63.094,11.938 63.094,9.804 J5.33@64.135,8.763
  Bottom Layer w0.178: v1(52.1,3.1) 52.8,2.4 58.327,2.4 59.2,3.273 59.2,4.669 61.811,7.279 62.651,7.279 J5.33@64.135,8.763 ; v1(60.706,18.821) 61.107,19.222 U1.27@61.107,21.628
PB13: TP5.1 U1.34 U2.8 U3.23 | length 52.1
  Top Layer w0.178: v1@47.498,23.749 47.752,24.003 48.006,24.003 48.641,23.368 v1@49.124,23.368
  Bottom Layer w0.178: U3.23@16.395,17.558 16.395,16.879 17.75,15.524 U2.8@17.75,13.673 TP5.1@20.404,13.673 ; TP5.1@20.574,13.843 21.156,13.843 22.299,14.986 22.807,14.986 23.049,15.227 24.195,15.227 24.36,15.062 32.061,15.062 32.874,15.875 45.116,15.875 45.72,16.479 45.72,21.514 47.015,22.809 47.015,23.393 v1(47.498,23.876) ; v1@49.124,23.368 49.2,23.444 51.928,23.444 52.589,22.784 54.864,22.784 56.008,23.928 U1.34@56.807,23.928
  other v1: 49.124,23.343
PC4: J5.45 R1.2 U1.24 | length 28.8
  Top Layer w0.178: v1(62.607,19.939) 62.607,18.242 63.501,17.348 65.329,17.348 67.437,15.24 67.437,14.301 68.193,13.545 78.784,13.545 80.518,11.811 80.518,9.906 J5.45@79.375,8.763
  Bottom Layer w0.178: R1.2@62.607,19.19 v1(62.607,19.939) U1.24@62.607,21.628
PC6: J5.30 SB1.1 U1.37 U15.2 | length 77.1
  Top Layer w0.178: v1(37.338,16.891) 37.338,16.152 38.809,14.681 43.922,14.681 45.085,15.844 v1(45.085,19.558) ; v1(53.975,23.876) 54.508,23.343 54.508,22.48 55.551,21.438 62.713,21.438 65.176,23.901 66.446,23.901 67.564,25.019 69.901,25.019 72.03,27.148 U15.2@74.471,27.148
  Mid Layer 2 w0.178: v1(37.338,16.891) 37.338,16.129 38.227,15.24 42.418,15.24 45.009,12.649 57.709,12.649 J5.30@59.055,11.303 ; v1(45.085,19.558) 45.085,19.685 46.558,21.158 50.368,21.158 51.181,21.971 51.181,22.491 51.627,22.936 52.019,22.936 52.959,23.876 v1(53.975,23.876)
  Bottom Layer w0.178: SB1.1@36.868,16.891 v1(37.338,16.891) ; v1(53.975,23.876) 54.483,23.876 56.035,25.428 U1.37@56.807,25.428
PC7: J5.32 SB2.1 U1.38 U15.5 | length 90.5
  Top Layer w0.178: v1(35.814,17.78) 35.814,17.245 38.683,14.376 44.048,14.376 45.72,16.048 45.72,19.812 v1(45.085,20.447) ; v1@54.356,24.384 54.813,23.927 54.813,22.607 55.678,21.742 62.586,21.742 65.05,24.206 66.32,24.206 67.438,25.324 69.58,25.324 v1@71.404,27.148 ; v1(55.245,11.811) 56.337,12.903 59.995,12.903 J5.32@61.595,11.303 ; U15.5@74.471,29.098 75.961,29.098 v1(76.073,29.21)
  Mid Layer 2 w0.178: v1(35.814,17.78) 35.814,17.222 38.101,14.935 42.292,14.935 44.908,12.319 54.737,12.319 v1(55.245,11.811) ; v1(45.085,20.447) 46.101,21.463 50.242,21.463 50.876,22.097 50.876,22.617 51.5,23.241 51.893,23.241 53.036,24.384 v1@54.356,24.384
  Bottom Layer w0.178: SB2.1@35.141,18.432 35.141,18.174 35.535,17.78 v1(35.814,17.78) ; v1@54.356,24.384 55.9,25.928 U1.38@56.057,25.928 ; v1(71.374,27.178) 71.404,27.148 75.408,27.148 76.073,27.813 v1(76.073,29.21)
  other v1: 54.356,24.435
PC8: U1.39 U15.9 | length 29.3
  Top Layer w0.178: v1@54.419,25.082 55.118,24.384 55.118,22.733 55.804,22.047 62.46,22.047 64.924,24.511 66.194,24.511 67.311,25.629 69.454,25.629 70.739,26.914 70.739,30.111 70.42,30.429 69.952,30.429 69.27,29.748 U15.9@68.531,29.748
  Bottom Layer w0.178: v1(54.356,25.197) 54.534,25.197 55.765,26.428 U1.39@56.807,26.428
PC9: U1.40 U15.12 | length 25.8
  Top Layer w0.178: v1(54.356,25.908) 55.423,24.841 55.423,22.859 55.93,22.352 62.334,22.352 64.798,24.816 66.068,24.816 67.185,25.933 69.327,25.933 70.348,26.954 70.348,27.315 69.865,27.798 U15.12@68.531,27.798
  Bottom Layer w0.178: v1(54.356,25.908) 54.737,25.908 55.757,26.928 U1.40@56.807,26.928
PC10: JP3.1 U1.51 | length 13.6
  Bottom Layer w0.178: JP3.1@48.895,30.226 50.469,31.8 51.835,31.8 52.401,32.366 52.401,32.384 52.917,32.9 55.234,32.9 56.155,31.979 57.868,31.979 58.503,31.344 59.182,31.344 59.607,31.769 U1.51@59.607,32.728
PC11: JP1.1 U1.52 | length 20.9
  Bottom Layer w0.178: JP1.1@48.895,32.766 47.904,31.775 47.904,29.616 48.438,29.083 51.943,29.083 52.527,29.667 52.527,32.061 52.706,32.24 52.706,32.258 53.043,32.595 55.108,32.595 56.029,31.674 57.742,31.674 58.377,31.039 59.69,31.039 60.107,31.456 U1.52@60.107,32.728
PC12: J5.17 J5.26 J10.6 J14.2 U1.53 | length 51.3
  Top Layer w0.178: J5.17@43.815,8.763 44.907,7.671 52.019,7.671 52.807,8.458 52.807,10.135 53.442,10.77 J5.26@53.975,10.77 ; J10.6@59.055,42.418 60.071,41.402 60.071,34.417 v1(60.325,34.163) 61.57,32.918 61.57,27.217 60.071,25.719 v1(60.071,25.527) 60.071,24.904 J14.2@59.7,24.533
  Bottom Layer w0.178: J5.26@53.975,11.303 53.975,11.626 54.922,12.573 55.677,12.573 56.21,13.106 56.21,15.901 57.531,17.222 57.531,22.414 60.071,24.954 v1(60.071,25.527) ; v1(60.325,34.163) 60.607,33.881 U1.53@60.607,32.728
PD2: J5.28 J10.7 J14.3 R8.1 U1.54 | length 52.2
  Top Layer w0.178: v1@60.95,25.527 60.95,26.167 61.925,27.142 61.925,30.443 62.865,31.383 62.865,32.97 61.507,34.328 61.4,34.328 60.96,34.768 v1@60.96,34.984 ; J14.3@60.96,24.543 v1@60.96,25.527 ; v1(60.96,35.052) 61.214,35.306 61.214,37.186 60.376,38.024 60.376,41.199 J10.7@61.595,42.418
  Bottom Layer w0.178: R8.1@52.832,37.067 52.993,36.906 53.529,36.906 53.936,36.5 56.497,36.5 56.947,36.949 56.947,38.482 57.352,38.887 59.588,38.887 60.376,39.675 60.376,40.742 61.595,41.961 J10.7@61.595,42.418 ; J5.28@56.515,11.303 56.515,15.775 57.836,17.096 57.836,22.287 60.833,25.285 v1(60.833,25.654) ; v1(60.96,35.052) 60.96,34.984 61.107,34.837 U1.54@61.107,32.728
PH0-OSC_IN: C1.2 U1.5 Y1.1 | length 6.4
  Bottom Layer w0.178: U1.5@67.907,28.928 69.924,28.928 70.409,29.413 70.409,30.421 C1.2@70.993,31.005 71.996,31.005 Y1.1@72.637,30.364
PH0-OSC_OUT: C2.2 U1.6 Y1.3 | length 7.7
  Bottom Layer w0.178: U1.6@67.907,28.428 69.743,28.428 70.248,27.923 C2.2@70.993,27.923 71.179,27.737 74.11,27.737 Y1.3@74.937,28.564
PIN4: EX1.4 U12.4
PIN5: EX1.5 U12.5
PIN7: EX1.7 U12.7
PIN8: EX1.8 U12.8
PIN9: EX1.9 U12.9
PIN11: EX2.10 U12.11
PIN12: EX2.9 U12.12
PIN13: EX2.8 U12.13
PIN14: EX2.7 U12.14
PIN15: EX2.6 U12.15
PIN16: EX2.5 U12.16
PIN17: EX2.4 U12.17
PIN18: EX2.3 U12.18
PIN19: EX2.2 U12.19
PIN20: EX2.1 U12.20
RESET: C52.1 J15.1 R45.1 U18.29 | length 12.4
  Top Layer w0.178: U18.29@20.085,26.611 20.085,25.148 C52.1@19.321,24.384 R45.1@19.321,23.368 v1@21.726,20.963
  Bottom Layer w0.178: v1(21.717,20.955) 21.717,18.669 23.495,16.891 J15.1@23.495,16.256
RF_LNA: L6.2 R63.2 | length 1
  Top Layer w0.305: L6.2@39.233,41.011 cw(c40.177,40.068) R63.2@40.177,41.402
RF_OUT1: C86.1 L7.2 R66.1 | length 4.1
  Top Layer w0.305: L7.2@41.258,38.862 R66.1@41.258,40.352 ; L7.2@41.275,38.821 41.275,38.354 ccw(c42.195,38.354) 41.544,37.704 41.91,37.338 cw(c41.297,36.725) 42.164,36.725 C86.1@42.164,36.466
RF_OUT2: C84.1 U25.6 | length 2
  Top Layer w0.305: U25.6@39.173,35.416 C84.1@41.131,35.416
RS: R17.2 U5.8 | length 1.8
  Top Layer w0.178: U5.8@71.968,19.78 72.334,19.414 R17.2@73.66,19.414
RSSI: EX1.6 RN6.6 U12.6 | length 6.8
  Bottom Layer w0.178: RN6.6@7.023,37.738 6.623,37.738 6.096,37.211 6.096,35.56 7.46,34.196 U12.6@9.525,34.196
RXI: J16.4 R46.2 U18.30 | length 18.9
  Top Layer w0.178: v1(19.177,36.703) J16.4@19.177,40.767 ; v1(20.574,28.575) 20.885,28.264 U18.30@20.885,26.611 20.885,24.327 21.844,23.368 R46.2@22.208,23.368
  Bottom Layer w0.178: v1(19.177,36.703) 19.177,29.972 v1(20.574,28.575)
S1: RN1.4 RN8.1 U15.3 | length 14.5
  Top Layer w0.178: U15.3@74.471,27.798 75.423,27.798 78.626,31.001 79.788,31.001 80.207,31.42 83.474,31.42 83.885,31.831 83.885,32.762 83.039,33.608
  Top Layer w0.203: RN8.1@83.039,33.896 RN1.4@83.039,35.141
S1_EN: SB6.2 U15.1 | length 18.1
  Top Layer w0.178: U15.1@74.471,26.498 75.113,26.498 75.587,26.972 75.587,27.531 78.752,30.696 79.914,30.696 80.333,31.115 83.6,31.115 84.189,31.704 84.189,34.151 v1(86.004,35.966)
  Bottom Layer w0.178: v1@86.106,36.068 SB6.2@86.995,36.068
S2: RN1.3 RN8.2 U15.6 | length 14
  Top Layer w0.178: U15.6@74.471,29.748 76.942,29.748 78.499,31.305 79.662,31.305 80.081,31.725 83.348,31.725 83.58,31.957 83.58,32.636 83.297,32.918 82.938,32.918 82.239,33.618 RN8.2@82.239,33.896
  Top Layer w0.203: RN8.2@82.239,33.896 RN1.3@82.239,35.141
S2_EN: SB7.2 U15.4 | length 19.1
  Top Layer w0.178: U15.4@74.471,28.448 73.406,28.448 73.025,28.829 73.025,30.38 73.532,30.886 76.403,30.886 v1(76.759,30.531)
  Mid Layer 2 w0.178: v1(76.759,30.531) 76.797,30.493 77.639,30.493 79.07,31.924 79.07,33.223 78.969,33.325 78.969,34.799 79.679,35.509 82.956,35.509 v1(83.49,36.043)
  Bottom Layer w0.178: v1(83.49,36.043) SB7.2@84.43,36.043
S3: RN1.2 RN8.3 U15.8 | length 16.8
  Top Layer w0.178: U15.8@68.531,30.398 68.752,30.398 v1@69.342,30.988
  Top Layer w0.203: v1(78.105,31.623) 79.53,31.623 79.859,31.952 79.859,32.414 80.219,32.775 80.416,32.775 81.439,33.798 RN8.3@81.439,33.896 RN1.2@81.439,35.141
  Bottom Layer w0.178: v1(69.215,30.988) 69.469,31.242 69.774,31.242 70.383,31.852 75.231,31.852 75.866,32.487 77.241,32.487 v1(78.105,31.623)
S3_EN: SB8.2 U15.10 | length 21.4
  Top Layer w0.178: U15.10@68.531,29.098 67.549,29.098 67.285,29.362 67.285,30.481 68.325,31.521 69.596,31.521 69.926,31.191 76.806,31.191 77.035,30.963 v1(77.394,30.963)
  Mid Layer 2 w0.178: v1(77.394,30.963) 77.406,30.975 77.406,32.423 78.664,33.68 78.664,34.925 79.731,35.992 v1(80.696,35.992)
  Bottom Layer w0.178: v1(80.696,35.992) SB8.2@81.839,35.992
S4: RN1.1 RN8.4 U15.11 | length 17.2
  Top Layer w0.178: U15.11@68.531,28.448 69.596,28.448 69.85,28.702 69.85,29.718 v1@69.977,29.718
  Top Layer w0.203: v1@75.946,31.928 76.34,32.322 76.34,32.762 76.69,33.113 77.451,33.113 77.756,33.418 80.16,33.418 RN8.4@80.639,33.896 RN1.1@80.639,35.141
  Bottom Layer w0.178: v1@69.85,29.718 69.85,30.785 70.587,31.521 75.565,31.521 v1@75.971,31.928
  other v1: 69.901,29.693 76.022,31.979
S4_EN: SB9.2 U15.13 | length 21.4
  Top Layer w0.178: U15.13@68.531,27.148 67.34,27.148 66.98,27.508 66.98,30.608 68.198,31.826 69.774,31.826 70.104,31.496 76.784,31.496 v1(76.937,31.648)
  Mid Layer 2 w0.178: v1(76.937,31.648) 77.102,31.813 77.102,32.601 78.359,33.858 v1(78.359,36.043)
  Bottom Layer w0.178: v1(78.359,36.043) SB9.2@79.35,36.043
S5: RN2.4 RN9.1 U16.3 | length 6.1
  Top Layer w0.203: U16.3@74.471,34.148 75.829,34.148 ; RN9.1@79.305,33.896 RN2.4@79.305,35.141
  Bottom Layer w0.203: v1(76.022,34.341) 76.2,34.519 v1(79.451,34.519)
S5_EN: SB10.2 U16.1 | length 12.1
  Top Layer w0.178: U16.1@74.471,32.848 73.742,32.848 73.508,32.614 72.771,32.614 72.39,32.995 72.39,34.722 71.882,35.23 71.882,36.83 72.39,37.338 75.184,37.338 75.794,36.728 v1(75.794,36.373)
  Bottom Layer w0.178: v1@75.946,36.195 76.073,36.068 SB10.2@76.835,36.068
S6: RN2.3 RN9.2 U16.6 | length 5.7
  Top Layer w0.178: U16.6@74.471,36.098 75.281,36.098 75.772,35.607 78.119,35.607 78.505,35.221 RN2.3@78.505,35.141
  Top Layer w0.203: RN9.2@78.505,33.896 RN2.3@78.505,35.141
S6_EN: SB11.2 U16.4 | length 3.4
  Top Layer w0.178: v1(73.025,35.56) 73.025,35.306 73.533,34.798 U16.4@74.471,34.798
  Bottom Layer w0.178: v1(73.025,35.56) 73.533,36.068 SB11.2@74.295,36.068
S7: RN2.2 RN9.3 U16.8 | length 18.7
  Top Layer w0.178: U16.8@68.531,36.748 67.482,36.748 67.005,36.271 67.005,32.574 67.449,32.131 69.9,32.131 70.23,31.801 75.159,31.801 76.022,32.664 76.022,32.894 76.559,33.43 77.319,33.43 77.705,33.816 RN9.3@77.705,33.896
  Top Layer w0.203: RN9.3@77.705,33.896 RN2.2@77.705,35.141
S7_EN: SB12.2 U16.10 | length 3.7
  Top Layer w0.178: U16.10@68.531,35.448 69.357,35.448 70.231,36.322 v1(70.612,36.322)
  Bottom Layer w0.178: v1(70.612,36.322) 70.866,36.068 SB12.2@71.755,36.068
S7_OUT: J3.19 R5.2 RN2.7 | length 20.7
  Top Layer w0.178: v1@71.247,34.29 71.247,36.449 69.088,38.608 68.58,38.608 67.945,39.243 67.945,40.386 68.58,41.021 70.612,41.021 J3.19@71.755,39.878 73.355,38.278 76.784,38.278 77.705,37.357 RN2.7@77.705,36.741
  Bottom Layer w0.178: v1@71.247,34.29 71.247,34.053 R5.2@71.645,33.655
  other v1: 71.247,34.265